# KiCad board 8851_HW-U1-VCU118_REV2-0_071417.kicad_pcb (continued)
## Routing (per net, layer and track width the routed paths; a pad name or vN(x,y) marks a point on that pad's centre or on a via; arc(x,y) is an arc through that point) (continued)
43N2999: length 0.7
  TOP w0.15: v2(108.5,69.73) 108.99,69.24
48N1291: length 5.8
  TOP w0.15: 221.51,69.94 v3(220.45,69.94)
  TOP w0.375: R131.2 v3(223.26,69.94)
  BOTTOM w0.15: v3(220.45,69.94) 219.25,69.94 218.26,69.94 218.12,69.8 218.12,69.42 218.25,69.3 219.25,69.3
48N1428: length 19.9
  03_SIG1 w0.17: v3(225.68,86.77) 226.34,87.44 228.69,87.44 228.81,87.56 228.81,88.23 228.9,88.32 229.27,88.32 229.37,88.22 229.37,87.53 229.46,87.44 229.83,87.44 229.92,87.53 229.92,88.14 230.03,88.25 230.35,88.25 230.44,88.16 230.44,87.53 230.53,87.44 231,87.44 231.18,87.61 231.18,88.42 231.62,88.87 233.61,88.87 234.8,87.67
  BOTTOM w0.15: 230.15,85.58 230.15,84.58 230,84.42 229.62,84.42 229.51,84.54 v3(229.51,86.77) 229.51,87.54 229.5,87.56 ; 225.68,85.58 v3(225.68,86.77)
49N610: length 6
  BOTTOM w0.15: R356.1 59.97,138.2 v3(58.84,138.2) 56.64,140.39 55.84,140.39
49N611: length 4.1
  TOP w0.15: 49.22,139.36 50.66,139.36 v3(51.45,138.58)
  BOTTOM w0.15: 50.09,139.11 50.91,139.11 v3(51.45,138.58)
49N612: length 4.9
  BOTTOM w0.15: 47.96,137.16 49.08,137.16 49.08,138.38 49.17,138.47 50.09,138.47
  BOTTOM w0.375: U28.1 49.15,145.51 v3(48.78,145.88)
49N3747: length 8.3
  TOP w0.15: 133.83,116.41 134.72,116.41 134.85,116.27 134.85,114.08 134.68,113.9 133.78,113.9 133.57,113.69 v3(133.57,113.42) 133.84,113.15 135.07,113.15 135.34,112.89 R601.2
  BOTTOM w0.15: v3(133.57,113.42) 133.97,113.82 R581.1
49N3748: length 4.4
  TOP w0.138: 139.58,115.13 v3(140.94,115.13)
  BOTTOM w0.15: v3(140.94,115.13) 140.39,115.13 140.1,114.83 R600.1 R580.2
49N3749: length 7.7
  TOP w0.138: v3(141.9,115.12) 141.9,114.84 141.55,114.49 139.58,114.49 ; v3(139.88,112.8) 139.64,112.56 139.06,112.56
  05_SIG2 w0.17: v3(139.88,112.8) 139.88,113.1 v3(141.9,115.12)
  BOTTOM w0.15: v3(139.88,112.8) 139.65,112.57 R602.2
49N6856: length 2.9
  TOP w0.15: 133.83,117.05 131.86,117.05 v3(131.22,117.69)
51N1061: length 12.8
  TOP w0.375: v3(221.5,153.16) 221.13,152.78 220.24,152.78 ; 214.01,149.13 v3(214.01,151.64)
  BOTTOM w0.375: v3(221.5,153.16) 221.12,153.54 215.26,153.54 214.74,153.01 214.74,152.32 214.06,151.64 v3(214.01,151.64)
51N1068: length 3
  TOP w0.15: 218.92,155.66 218.92,154.62 219.26,154.28 219.26,152.78
51N1070: length 19.1
  TOP w0.15: v3(223.09,147.78) 223.09,148.33 222.9,148.53 221.88,148.53
  03_SIG1 w0.17: 225.5,160.06 227.87,157.69 227.87,149.05 226.6,147.78 v3(223.09,147.78)
51N1071: length 2.4
  TOP w0.138: DS26.1 v3(200.65,140.34)
  TOP w0.15: R460.1 200.87,142.29 200.65,142.07 DS26.1
51N2166: length 3.7
  TOP w0.138: C358.1 216.63,150.78 216.32,151.09 216.08,151.09 v3(215.3,151.88)
  BOTTOM w0.15: v3(215.3,151.88) 215.58,151.59 216.55,151.59
51N2353: length 51.3
  20_SIG7 w0.087: 217.27,128.68 217.27,125.72 216.65,125.1 209.8,125.1 208.46,126.44 208.46,130.36 207.15,131.68 207.15,132.75 208.6,134.2 208.6,143.68 210.56,145.64 219.31,145.64 221.38,147.7 v3(221.38,149.4)
  BOTTOM w0.15: 218.95,151.59 220.3,151.59 220.81,151.08 220.81,150.28 220.93,150.17 221.38,150.17 v3(221.38,149.4)
51N3244: length 275.4
  TOP w0.138: 222.63,151.15 v3(223.52,151.15)
  TOP w0.15: 222.88,153.92 222.88,152.65 222.63,152.4 222.63,151.15
  03_SIG1 w0.17: v3(223.52,151.15) 222.21,151.15 v3(220.37,149.31)
  05_SIG2 w0.17: v3(45.01,154.22) 44.33,153.53 44.33,147.46 42.57,145.7 40.02,145.7 39.42,145.11 39.42,141.33 38.2,140.11 38.2,138.03 39.08,137.15 39.08,128.12 34.15,123.2 34.15,112.8 33.22,111.87 v3(33.22,110.95)
  16_SIG5 w0.087: v3(45.01,154.22) 46.39,155.6 46.39,167.86 48.69,170.15 52.95,170.15 53.3,169.8 54.62,169.8 55.67,170.85 173.7,170.85 176.45,168.1 176.45,161.55 178.57,159.42 178.57,155.37 176.83,153.63 v3(176.4,153.63)
  20_SIG7 w0.087: v3(220.37,149.31) 220.37,148.17 218.66,146.46 203.41,146.46 202.7,145.76 200.64,145.76 198.42,147.98 194.94,147.98 193.96,148.97 191.99,148.97 189.27,151.69 178.34,151.69 v3(176.4,153.63)
  BOTTOM w0.15: 220.37,147.78 v3(220.37,149.31) 219.95,149.72 218.95,149.72 ; 33.22,110.38 v3(33.22,110.95)
  BOTTOM w0.375: C871.1 v3(219.38,148.65)
51N4062: length 6.9
  BOTTOM w0.15: 27.49,110.8 27.47,110.77 R816.2 27.97,109.1 28.21,109.1 28.63,109.1 28.73,109.2 29.28,109.2 ; 30.52,105.37 31.77,105.37 31.77,105.7 31.62,105.85 31.32,105.85 31.12,106.05 31.12,106.58 31.25,106.7 U128.11
51N4063: length 3.7
  BOTTOM w0.15: 29.28,108.02 29.28,107.58 28.8,107.1 27.47,107.1 R819.2
51N4064: length 3.1
  BOTTOM w0.15: 31.25,111.17 31.25,113.18 31.24,113.17 R817.2
51N4068: length 10.8
  TOP w0.15: v3(29.28,111.02) 29.28,107.57 v3(30.48,106.38) 30.49,106.36 v3(31.64,106.36)
  BOTTOM w0.15: 29.27,105.37 29.27,105.92 29.73,106.38 v3(30.48,106.38) 30.77,106.67 30.77,106.72 30.86,106.81 30.86,107.23 ; 31.64,107.23 v3(31.64,106.36) ; 29.28,110.38 v3(29.28,111.02)
51N4081: length 1.8
  BOTTOM w0.15: U128.19 33.85,109.6 33.96,109.49 34.95,109.49
51N4580: length 1.9
  TOP w0.15: DS20.1 v3(210.49,151.6)
  BOTTOM w0.15: R134.1 210.74,151.36 v3(210.49,151.6)
51N4664:
  vias: v3(236.56,25.95)
52N2260: length 4.2
  TOP w0.15: 166.14,129.41 165.15,129.41 165.15,129.94 164.06,131.04 164.06,132.17
52N2264: length 8.3
  TOP w0.15: v3(163.57,130.17) 163.57,132.17 ; v3(165.45,127.67) 165.15,127.97 165.15,128.43
  BOTTOM w0.15: v3(163.57,130.17) 163.2,129.8 163.2,129.39 163.71,128.89 163.85,128.89 164.33,128.41 164.33,128.27 164.93,127.67 v3(165.45,127.67) 165.8,127.67 166.56,128.42
52N2266: length 11.3
  TOP w0.15: 163.08,132.17 163.08,130.61 162.92,130.45 162.92,129.92 163.22,129.62 163.96,129.62 164.17,129.41 163.78,129.02 163.45,129.02 162.69,128.26 162.69,127.88 162.48,127.67 v3(162.06,127.67) ; v3(163.06,138.92) 163.08,138.9 U166.32
  BOTTOM w0.15: 162.08,128.41 162.08,127.69 v3(162.06,127.67) ; 162.06,138.03 163.08,138.03 163.08,138.9 v3(163.06,138.92) 163.08,138.94 163.08,139.66
52N2267: length 3
  TOP w0.15: 162.08,129.39 162.08,130.31 162.59,130.82 162.59,132.17
52N2291: length 3.3
  TOP w0.15: 159.83,129.39 159.81,129.41 159.81,130.54 161.11,131.84 161.11,132.17
52N2351: length 4.2
  BOTTOM w0.15: 162.08,129.39 162.08,129.9 162.97,130.8 163.8,130.8 164.33,130.27 164.33,129.39
52N2375: length 4.6
  TOP w0.15: v3(166.56,127.22) 166.14,127.65 166.14,128.43
  BOTTOM w0.15: v3(166.56,127.22) 166.8,127.22 167.3,127.72 167.3,129.2 167.09,129.41 166.56,129.41
52N3241: length 2.5
  TOP w0.15: v3(167.18,136.04) 166.66,135.52 165.93,135.52
  BOTTOM w0.15: v3(167.18,136.04) 167.06,136.04 166.45,136.65
52N3243: length 2.2
  TOP w0.15: 165.93,135.03 165.95,135.04 166.74,135.04 166.86,135.17 v3(167.18,135.17)
  BOTTOM w0.15: 166.45,135.65 166.57,135.65 167.06,135.17 v3(167.18,135.17)
52N3245: length 2.1
  TOP w0.15: 165.93,134.53 167.07,134.53 v3(167.18,134.42)
  BOTTOM w0.15: v3(167.18,134.42) 166.93,134.67 166.46,134.67 166.45,134.65
52N3247: length 2.1
  TOP w0.15: v3(167.18,133.67) 166.81,134.04 165.93,134.04
  BOTTOM w0.15: 166.45,133.65 166.46,133.67 v3(167.18,133.67)
52N3249: length 2.4
  TOP w0.15: v3(167.18,132.79) 166.43,133.55 165.93,133.55
  BOTTOM w0.15: 166.45,132.65 166.59,132.79 v3(167.18,132.79)
52N3251: length 2.8
  TOP w0.15: 165.93,133.06 166.04,133.06 v3(167.31,131.79)
  BOTTOM w0.15: v3(167.31,131.79) 166.59,131.79 166.45,131.65
52N3398: length 3.5
  TOP w0.3: L98.2 158.7,133.03 159.22,133.55 160.22,133.55
52N3515: length 4.5
  TOP w0.15: v3(158.31,136.42) 158.71,136.01 160.22,136.01
  BOTTOM w0.15: 160.2,135.28 160.2,135.29 R1271.1 159.07,136.42 v3(158.31,136.42)
52N3990: length 7.8
  TOP w0.15: 141.43,133.67 v3(142.21,133.67) 143.58,133.67 144.11,134.2 144.11,134.58 144.45,134.92 144.45,135.52
  TOP w0.375: 141.43,134.66 140.54,134.66 v3(140.53,134.67)
  BOTTOM w0.15: 141.43,133.67 v3(142.21,133.67) 142.23,133.7 143.06,133.7
  BOTTOM w0.375: 141.43,134.66 140.54,134.66 v3(140.53,134.67)
  vias: v2(145.86,141.2)
52N4051: length 4.5
  TOP w0.15: 146.42,135.52 146.42,135.27 147.02,134.67 147.66,134.67 v3(148.26,134.07) 148.6,133.73 C1709.1
  BOTTOM w0.15: v3(148.26,134.07) 148.6,133.73 C1709.1
52N5850: length 6.5
  TOP w0.15: 161.06,128.42 160.43,128.42 ; 160.43,128.42 159.84,128.42 159.83,128.41 ; 160.43,128.42 v3(160.43,130.17) 160.43,130.29 161.6,131.46 161.6,132.17
  BOTTOM w0.15: v3(160.43,130.17) 159.83,129.56 159.83,129.39
52N5852: length 1.2
  BOTTOM w0.15: 161.06,128.42 161.04,128.41 159.83,128.41
52N6304: length 3.1
  TOP w0.15: 143.51,136.75 142.68,136.75 142.47,136.96 142.47,137.79 142.34,137.92 141.43,137.92
52N8319: length 2.3
  TOP w0.15: 164.17,128.43 164.17,127.83 164.03,127.69 v3(163.2,127.69)
  BOTTOM w0.15: 163.2,128.41 v3(163.2,127.69)
52N9498: length 2
  TOP w0.138: v3(128.16,128.47) U37.1
  BOTTOM w0.15: 129.16,128.47 v3(128.16,128.47)
55N3098: length 2.7
  BOTTOM w0.25: R1158.2 152.74,113.62 154,113.62
55N3099: length 5.8
  TOP w0.25: v3(157.37,117) 157.68,117.31 157.68,118.1 157.68,119.19 v3(157.8,119.3)
  BOTTOM w0.25: v3(157.37,117) 157.11,116.74 157.11,115.75
  BOTTOM w0.375: v3(157.8,119.3) 157.8,120.63 C1442.1
55N3100: length 1.9
  BOTTOM w0.25: 156.55,109.09 156.55,109.6 156.62,109.67 156.62,111
55N3101: length 1.5
  TOP w0.375: 149.05,112.19 149.02,112.22 147.54,112.22
55N3104: length 2.1
  BOTTOM w0.25: 157.55,109.09 157.55,109.7 157.11,110.13 157.11,111
55N3109: length 2.6
  BOTTOM w0.25: C1401.1 154.56,116.84 155.14,116.25 155.14,115.75
55N3110: length 2.3
  BOTTOM w0.25: 151.87,113.75 152.23,114.11 154,114.11
55N3111: length 3.1
  BOTTOM w0.25: 154.65,115.75 153.62,115.75 152.87,116.5 151.87,116.5
55N3112: length 4.6
  BOTTOM w0.25: 151.87,114.87 152.47,114.87 152.74,114.6 154,114.6 ; 158.55,109.08 158.55,109.45 157.6,110.39 U9.15
55N3113: length 3
  BOTTOM w0.25: 156.62,115.75 156.62,117.09 156.89,117.36 156.89,118.62
55N3114: length 3.4
  BOTTOM w0.25: 158.86,118.62 158.65,118.41 158.65,117.4 157.6,116.35 157.6,115.75
55N3115: length 22.1
  BOTTOM w0.25: 153.37,107.83 153.13,108.07 151.91,108.07 146.32,113.66 146.32,115.47 147.1,116.25 147.1,122.08 147.65,122.62 147.82,122.62 148.24,123.04
  BOTTOM w0.375: 155,106.59 154.39,106.59 153.99,106.98 v3(153.99,107.36) 153.85,107.36 153.37,107.83
55N3116: length 4.8
  BOTTOM w0.25: U9.25 158.75,115.75 158.75,115.75 U9.24
  BOTTOM w0.375: C1543.1 161,118 158.75,115.75
55N3155: length 21.8
  05_SIG2 w0.375: v3(151.3,119.47) 151.3,119.12 152.4,118.02 152.4,117.1 153.35,116.15 157.64,116.15 158.52,115.27 158.52,115.26 159.21,114.57 159.21,113.99 161.56,111.64 161.56,110.71 v3(162.05,110.22)
  BOTTOM w0.15: v3(151.3,119.47) 151.12,119.65 151.12,120.14
  BOTTOM w0.25: 158.75,112.63 159.49,112.63 160.16,111.97 161.25,111.97 162.05,111.17 v3(162.05,110.22)
55N3156: length 20.5
  05_SIG2 w0.375: v3(150.42,119.35) 150.42,118.93 151.65,117.71 151.65,116.79 153.04,115.4 157.32,115.4 158.46,114.26 158.46,113.68 160.8,111.34 v3(160.8,109.97)
  BOTTOM w0.15: v3(150.42,119.35) 150.38,119.4 150.38,120.14
  BOTTOM w0.25: 158.75,112.14 159.25,112.14 160.42,110.98 160.8,110.98
  BOTTOM w0.375: 160.8,110.98 v3(160.8,109.97)
55N4756: length 0.8
  BOTTOM w0.15: 151.12,120.71 151.12,121.56
56N1406: length 2.7
  BOTTOM w0.2: 178.55,137.73 178.55,138.99 177.56,139.98
56N1407: length 5.8
  TOP w0.25: v3(181.93,134.35) 183.35,134.35 183.66,134.04 184.32,134.04 v3(184.44,133.93)
  BOTTOM w0.25: 180.68,134.61 181.67,134.61 v3(181.93,134.35)
  BOTTOM w0.375: v3(184.44,133.93) 184.83,133.93 185.3,133.46 186.03,133.46
56N1411: length 21.8
  05_SIG2 w0.25: v3(175.16,129.68) 175.41,129.93 176.32,129.93 178.11,131.72 178.59,131.72 180.97,134.11 180.97,138.17 181.8,138.99 182.97,138.99 v3(184.41,140.43)
  BOTTOM w0.15: Z66.1 184.78,140.8 v3(184.41,140.43)
  BOTTOM w0.25: C729.2 176.9,131.57 177.57,132.24 177.57,132.97
  BOTTOM w0.375: v3(175.16,129.68) 176.15,129.68 176.9,130.43 C729.2
56N1412: length 1.9
  BOTTOM w0.25: 175.93,135.11 174.57,135.11 174.5,135.18 174.03,135.18
56N1413: length 2.6
  TOP w0.375: 175.78,142.43 177.13,142.43 ; C454.1 v3(174.79,143.63)
56N1414: length 4.6
  BOTTOM w0.25: U30.1 175.93,137.48 175.71,137.7 v3(175.66,137.7) ; 175.93,133.63 175.59,133.63 175.06,133.1 175.06,132.55 174.68,132.18 R362.2 174.03,131.18
56N1415: length 2.3
  BOTTOM w0.25: 174.03,133.18 174.38,133.18 175.33,134.12 175.93,134.12
56N1416: length 2.1
  BOTTOM w0.25: 174.03,134.18 174.63,134.18 175.07,134.61 175.93,134.61
56N1425: length 3.4
  BOTTOM w0.25: U30.18 181.29,134.12 182.33,133.08 183.35,133.08 183.56,132.87
56N1429: length 2.6
  BOTTOM w0.25: U30.21 181.7,135.6 v3(181.83,135.73) 182.11,135.73 182.57,136.18 183.03,136.18 183.03,136.18
56N1430: length 2.6
  BOTTOM w0.25: U30.23 181.19,136.58 181.78,137.17 183.03,137.17
56N1431: length 2.2
  BOTTOM w0.25: 173.96,136.73 174.61,136.73 175.24,136.09 175.93,136.09
56N1432: length 8.4
  BOTTOM w0.25: 180.68,133.63 180.68,132.98 180.68,132.97 180.03,132.97 ; U30.24 180.68,138.1 181.43,138.85 181.43,139.86
  BOTTOM w0.375: 180.68,132.98 181.41,132.98 181.88,132.5 181.88,132.18 182.93,131.13 182.93,130.38
56N1434: length 20.2
  05_SIG2 w0.25: v3(184.28,141.3) 182.67,139.69 181.43,139.69 180.22,138.48 180.22,134.3 178.27,132.35 177.85,132.35 176.18,130.68 175.41,130.68 v3(175.16,130.93)
  BOTTOM w0.15: v3(184.28,141.3) 184.41,141.43 Z65.1
  BOTTOM w0.25: C729.1 175.92,131.31 177.08,132.47 177.08,132.97
  BOTTOM w0.375: C729.1 v3(175.16,130.93)
56N2929: length 2
  TOP w0.375: 122.17,139.83 J14.1
56N5656: length 1.2
  BOTTOM w0.15: Z66.2 186.88,140.8 R712.1
57N3698: length 2.7
  BOTTOM w0.25: 212.31,51.86 213.3,50.86 213.3,49.6
57N3699: length 5.8
  TOP w0.25: v3(216.68,46.23) 218.1,46.23 218.41,45.92 219.07,45.92 v3(219.19,45.8)
  BOTTOM w0.25: 215.43,46.49 216.42,46.49 v3(216.68,46.23)
  BOTTOM w0.375: v3(219.19,45.8) 220.31,45.8 220.78,45.33
57N3700: length 2.6
  BOTTOM w0.25: 208.78,47.05 209.33,47.05 209.4,46.98 210.68,46.98
  BOTTOM w0.375: R1167.1 v3(207.12,47.05)
57N3701: length 1.4
  TOP w0.375: 210.03,54.55 211.38,54.55
57N3702: length 5.3
  BOTTOM w0.25: U4.1 210.68,49.35 210.46,49.58 v3(210.41,49.58) ; 210.68,45.5 210.34,45.5 209.81,44.98 209.81,44.43 209.43,44.05 R1144.2 208.78,43.05
  BOTTOM w0.375: R1133.1 207.79,43.05 v3(207.12,43.05)
57N3703: length 3
  BOTTOM w0.25: 210.68,46 210.08,46 209.13,45.05 208.78,45.05
  BOTTOM w0.375: R1126.1 207.79,45.05 v3(207.12,45.05)
57N3704: length 2.8
  BOTTOM w0.25: 208.81,46 208.86,46.05 209.38,46.05 209.82,46.49 210.68,46.49
  BOTTOM w0.375: R1108.1 207.82,46 v3(207.12,46)
57N3709: length 3.4
  BOTTOM w0.25: U4.18 216.04,46 217.08,44.95 218.1,44.95 218.31,44.74
57N3713: length 2.6
  BOTTOM w0.25: v3(216.58,47.6) 216.86,47.6 217.32,48.06 217.78,48.06
  BOTTOM w0.3: U4.21 216.45,47.47 v3(216.58,47.6)
57N3714: length 2.6
  BOTTOM w0.25: 217.78,49.04 216.53,49.04 215.94,48.46 U4.23
57N3715: length 4.2
  BOTTOM w0.25: 207.84,48.6 209.39,48.6 210.03,47.96 210.68,47.96
  BOTTOM w0.375: C1409.1 205.8,49.08 v3(205.8,49.53)
57N3716: length 8.4
  BOTTOM w0.25: 216.18,51.73 216.18,50.73 215.43,49.98 U4.24 ; 215.43,45.5 215.43,44.85 215.43,44.85 214.78,44.85
  BOTTOM w0.375: 215.43,44.85 216.16,44.85 216.63,44.38 216.63,44.05 217.68,43 217.68,42.26
  vias: v3(216.66,41.68)
57N3731: length 22.2
  05_SIG2 w0.25: v3(219.16,52.3) 218.47,52.3 217.98,51.81 216.98,51.81 215.92,50.75 215.92,46.08 211.65,41.8 210.16,41.8 v3(209.91,41.55)
  BOTTOM w0.15: v3(219.16,52.3) 219.53,52.68 Z104.1
  BOTTOM w0.25: C1533.2 211.65,43.44 212.32,44.11 212.32,44.85
  BOTTOM w0.375: C1533.2 211.65,42.2 211.01,41.56 209.92,41.56 v3(209.91,41.55)
57N3732: length 20.5
  05_SIG2 w0.25: v3(219.03,53.18) 218.47,53.18 217.72,52.43 217.02,52.43 217.02,52.43 216.72,52.43 215.3,51.01 215.3,46.51 211.34,42.55 210.13,42.55 v3(209.88,42.8)
  BOTTOM w0.15: v3(219.03,53.18) 219.16,53.3 Z103.1
  BOTTOM w0.25: C1533.1 210.67,43.17 211.83,44.33 211.83,44.85
  BOTTOM w0.375: v3(209.88,42.8) C1533.1
57N5412: length 1.1
  BOTTOM w0.15: Z104.2 221.51,52.68 R1107.1
60N3562: length 37.1
  TOP w0.375: J63.1 129.33,115.52 132.07,112.77 132.07,101.92 130.85,100.7 127.08,100.7 125.44,99.05 125.44,99.04 125.39,98.99 125.39,97.3 126.62,96.06 135.36,96.06 135.83,96.53 135.83,97.89
60N3616: length 1.7
  TOP w0.15: 134.26,108.23 134.26,109.92 134.25,109.93
60N3732: length 3.3
  TOP w0.15: R1290.2 135.05,100.89 135.43,100.89 135.54,100.99 135.54,102.62
60N3801: length 1.6
  BOTTOM w0.15: 138.96,25.25 138.96,26.82 138.97,26.83
60N3813: length 3.4
  BOTTOM w0.15: 137.68,19.64 137.68,18.02 137.78,17.91 R138.1 138.29,16.79
60N4071: length 10
  05_SIG2 w0.375: 175.58,16.04 J20.1 ; J20.1 176.38,14.2 ; J20.1 177.17,14.46 ; J20.1 177.43,15.25 ; J20.1 177.17,16.04 ; J20.1 176.38,16.3 ; J20.1 175.58,14.46
  BOTTOM w0.375: 137.04,18.3 137.04,19.64 ; C132.1 v3(132.62,17.82)
  vias: v3(136.03,16.79) v3(136.28,18.29) v3(136.78,17.29) v3(172.78,23.65) v3(173.05,24.43)
61N5743: length 45.1
  05_SIG2 w0.25: v3(186.52,50.74) 186.69,50.91 187.84,50.91 189.43,49.33 189.43,31.82 186.72,29.12 184.45,29.12 183.47,28.15 181.45,28.15 180.82,27.53 180.82,23.45 182.99,21.28 183.5,21.28 183.95,20.82 184.57,20.82 v1(185.2,21.45)
  BOTTOM w0.135: 184.97,23.97 184.97,22.95 C1537.2 v1(185.2,21.45) ; v3(186.52,50.74) 186.86,51.07 187.22,51.07 Z118.1
61N5744: length 2
  BOTTOM w0.207: v3(182.2,26.72) 182.33,26.59 U156.4
  BOTTOM w0.375: R1169.1 v3(179.38,26.1)
61N5745: length 1.9
  BOTTOM w0.375: R1139.2 C1530.1
61N5746: length 3.1
  BOTTOM w0.207: 181.2,23.59 181.83,23.59 182.2,23.97 182.2,24.57 182.75,25.11 183.33,25.11
61N5747: length 3.3
  BOTTOM w0.207: 183.33,25.61 182.52,25.61 181.75,24.84 181.2,24.84
  BOTTOM w0.375: R1170.1 v3(179.38,24.84)
61N5752: length 3.1
  BOTTOM w0.207: 188.08,27.58 188.66,27.58 188.88,27.8 188.88,27.97 189.28,28.38 190.07,28.38 190.18,28.27 190.7,28.27
61N5753: length 3.8
  BOTTOM w0.25: 190.08,30.85 190.08,30.03 188.6,28.55 188.6,28.35 188.32,28.07 188.08,28.07
61N5755: length 2.9
  BOTTOM w0.207: 190.7,25.46 190.07,25.46 189.42,26.1 188.08,26.1
61N5756: length 3.4
  BOTTOM w0.207: 188.08,25.11 188.58,25.11 188.9,24.8 188.9,24.65 190.06,23.48 190.7,23.48
61N5757: length 3.7
  BOTTOM w0.207: 180.86,27.6 182.08,27.6 182.59,27.08 183.33,27.08
  BOTTOM w0.375: C1411.1 v3(178.25,27.6)
61N5758: length 6.2
  BOTTOM w0.207: 188.08,23.97 188.08,24.62 ; 188.08,23.97 188.08,23.97 187.43,23.97 ; 188.08,23.97 188.08,23.97
  BOTTOM w0.5: 188.08,23.97 188.43,23.62 188.43,23.42 190.08,21.77 190.08,21 190,20.92 v4(189,20.92)
61N5761: length 3.6
  BOTTOM w0.207: 181.2,22.34 181.73,22.34 182.75,23.37 182.75,24.32 183.06,24.62 183.33,24.62
61N5762: length 8.4
  TOP w0.25: 192.7,20.71 192.41,21 190.55,21 189.08,22.47 v3(189.08,25.47)
  BOTTOM w0.207: v3(189.08,25.47) 188.94,25.61 188.08,25.61
61N5776: length 43.8
  05_SIG2 w0.25: v3(186.52,51.7) 186.69,51.53 188.1,51.53 190.05,49.58 190.05,31.57 186.98,28.5 184.71,28.5 183.73,27.53 181.71,27.53 181.45,27.27 181.45,23.71 183.03,22.12 183.54,22.12 v1(184.21,21.45)
  BOTTOM w0.135: 184.47,23.97 184.47,22.98 C1537.1 v1(184.21,21.45) ; Z117.1 187.28,51.42 186.81,51.42 v3(186.52,51.7)
61N7077: length 19.6
  TOP w0.15: v4(192.14,50.8) 191.74,50.39 191.74,47.59 192.47,46.87 L75.2 ; 199.95,32.99 199.95,34.1 200.25,34.4 201.49,34.4 v3(201.67,34.22) ; 199.95,36.2 199.95,35.09 200.25,34.79 201.49,34.79 v3(201.67,34.97)
  BOTTOM w0.15: Z117.2 188.26,51.39 189.47,51.39 190.18,52.1 191.27,52.1 191.75,51.62 191.75,51.19 v4(192.14,50.8)
  vias: v4(198.91,48.93) v4(198.91,47.68) v4(198.91,46.43) v4(198.91,45.18) v4(200.08,43.72) v4(200.14,41.7) v4(200.34,48.88) v4(200.34,47.63) v4(200.34,46.38) v4(200.34,45.13) v4(201.33,43.72) v4(201.33,42.47) v4(201.33,40.97) v4(201.33,39.72) v4(201.33,38.47) v4(201.33,37.47) v4(201.71,47.63) v4(201.71,46.38) v4(201.71,45.13) v4(202.58,43.72) v4(202.58,42.47) v4(202.58,40.97)
61N7290: length 1
  BOTTOM w0.15: R1135.1 188.5,50.67 188.36,50.82 Z118.2
62N1445: length 5.1
  TOP w0.15: 45.66,133.77 45.66,131.56 46.23,130.99 47.35,130.99
  TOP w0.375: v3(45.38,130.3) 45.93,130.3 46.23,130.01
62N1446: length 5.3
  TOP w0.15: C190.1 44.88,129.41 44.88,130.93 45.17,131.22 45.17,133.77
62N1458: length 1.4
  TOP w0.15: Q24.3 201.62,158.83 202,159.2 202,159.6
62N1459: length 1.4
  TOP w0.15: 202,160.59 203.38,160.59
62N1460: length 1.4
  TOP w0.15: Q24.1 201.23,156.18
63N1124: length 7.9
  TOP w0.138: v3(217.3,154.58) 217.03,154.3 Q6.3
  20_SIG7 w0.087: v3(217.3,154.58) 219.14,156.41 v3(219.14,159.22)
  BOTTOM w0.15: 220.08,159.22 v3(219.14,159.22)
63N1127: length 2.1
  TOP w0.15: 220.08,160.32 220.98,160.32 v3(221.1,160.2)
  BOTTOM w0.15: 220.08,160.2 v3(221.1,160.2)
63N3433: length 3
  TOP w0.15: U124.C2 13.69,115.2 13.95,114.94 15.68,114.94 C872.1
63N3436: length 1.1
  BOTTOM w0.15: 10.07,117.51 C878.1
63N3439: length 3.1
  TOP w0.138: v3(11.78,117.19) 11.78,116.64 12.49,115.94 U124.B1
  BOTTOM w0.15: 11.05,117.51 11.46,117.51 v3(11.78,117.19)
63N3442: length 1.7
  TOP w0.3: U124.C1 13.19,114.72 v3(13.09,114.61)
  BOTTOM w0.375: R805.1 v3(9.24,116.39)
  vias: v3(11.93,115.75) v3(12.14,114.61)
63N4281: length 9.1
  TOP w0.138: Q36.3 211.29,154.79 v3(211.09,154.99)
  14_SIG4 w0.087: v3(214.96,159.56) 214.04,159.56 213.06,158.58 213.06,157.8 212.56,157.3 212.56,155.56 212,155 211.11,155 v3(211.09,154.99)
  BOTTOM w0.15: 215.88,159.29 215.23,159.29 v3(214.96,159.56)
63N4282: length 2
  TOP w0.15: 215.88,160.45 v3(216.85,160.45)
  BOTTOM w0.15: v3(216.85,160.45) 216.68,160.28 215.88,160.28
63N4705: length 2.7
  TOP w0.138: v3(60.02,117.58) 59.32,117.58 58.73,118.16 U151.C2
  BOTTOM w0.15: v3(60.02,117.58) 60.24,117.36 60.24,116.82
63N4706: length 1.1
  TOP w0.15: 56.7,120.68 56.7,119.54
63N4708: length 1.7
  TOP w0.138: U151.B1 58.08,118.93
  TOP w0.15: 56.7,118.56 57.32,118.56 57.7,118.93 58.08,118.93
63N4710: length 4.5
  TOP w0.3: v3(58.2,117.61) 58.2,117.67 58.24,117.72 U151.C1
  TOP w0.375: 57.71,116.8 57.71,117.09 57.43,117.36 v3(57.43,117.61)
  BOTTOM w0.375: v3(58.2,117.61) 58.13,117.61 ; 58.13,117.61 58.09,117.57 58.09,116.82 ; 58.13,117.61 v3(57.43,117.61) 57.24,117.61 56.56,116.93
63N5111: length 8.3
  TOP w0.138: v3(213.76,155.13) 213.52,154.89 Q5.3
  14_SIG4 w0.087: v3(213.76,155.13) 213.58,155.31 213.58,156.36 215.1,157.88 215.1,158.6 215.72,159.22 v3(217.06,159.22)
  BOTTOM w0.15: 218,159.22 v3(217.06,159.22)
63N5112: length 2.1
  TOP w0.15: 218,160.45 v3(218.98,160.45)
  BOTTOM w0.15: v3(218.98,160.45) 218.73,160.2 218,160.2
63N5113: length 1.6
  TOP w0.138: Q5.1 v3(213.12,152.75)
  BOTTOM w0.15: v3(213.12,152.75) 213.08,152.8 213.08,153.59
63N5131: length 3.8
  BOTTOM w0.15: R832.2 35.22,104.67 35.22,104.33 35.54,104.01 36.28,104.01 36.29,104.01 36.71,104.01 36.71,104.01 37.42,104.01
63N5132: length 4.9
  BOTTOM w0.15: C862.1 37.46,102.87 37.42,102.91 37.42,103.51 v3(34.2,103.51)
64N648: length 2.3
  TOP w0.15: 209.5,160.9 v3(210.6,160.9)
  BOTTOM w0.15: 209.5,160.65 210.35,160.65 v3(210.6,160.9)
64N649: length 8.6
  TOP w0.138: 209.5,159.42 v3(209.5,158.53) ; v3(204.7,155.13) 204.7,155.13 204.82,155 Q17.3
  03_SIG1 w0.17: v3(204.7,155.13) 206.33,155.13 206.79,155.59 206.79,156.19 207.3,156.7 208.03,156.7 209.5,158.18 v3(209.5,158.53)
64N651: length 32.5
  TOP w0.15: 62.87,87.63 63.13,87.63 63.5,88 64.02,88 64.71,87.32 66.52,87.32 68.09,85.74 71.22,85.74 71.61,86.14 71.61,86.55 71.17,86.99 71.17,87.78 71.67,88.27 78.12,88.27 78.56,87.84 80.48,87.84 80.82,88.18 80.82,88.38 81.44,89 81.85,89 83.08,90.23 83.08,95.5 83.38,95.79 83.38,97.39
64N2771: length 2
  TOP w0.138: 207.38,160.89 v3(207.38,161.78)
  BOTTOM w0.15: v3(207.38,161.78) 207.38,160.65
64N2772: length 8.6
  TOP w0.138: Q37.3 v3(202.82,154.98) ; 207.38,159.42 v3(207.38,158.53)
  03_SIG1 w0.17: v3(207.38,158.53) 207.38,157.9 206.12,156.64 204.25,156.64 203.86,156.25 203.13,156.25 202.82,155.94 v3(202.82,154.98)
64N2774: length 18.6
  TOP w0.15: v3(145.91,103.34) 145.91,101.36 146.85,100.42 151.12,100.42 153.25,98.3 160.59,98.3
  BOTTOM w0.15: 145.27,103.44 145.82,103.44 v3(145.91,103.34)
65N130: length 2.8
  BOTTOM w0.15: 185.87,165.19 185.87,166.05 186.97,166.05 187.32,166.4 187.32,166.74
65N131: length 50.4
  TOP w0.138: 209.73,163.1 208.44,163.1 v3(208.43,163.11)
  TOP w0.15: DS3.1 v3(204.95,164.47)
  05_SIG2 w0.17: v3(184.94,164.2) 185.21,164.47 v3(204.95,164.47)
  20_SIG7 w0.087: v3(185.04,167.03) 186.94,167.03 187.62,166.35 189.59,166.35 190.69,167.45 192.3,167.45 194.6,165.15 206.39,165.15 v3(208.43,163.11)
  BOTTOM w0.15: 185.87,164.2 v3(184.94,164.2) ; 185.87,167.03 v3(185.04,167.03)
65N137: length 2.2
  TOP w0.15: 226.63,165.8 v3(225.65,165.8)
  BOTTOM w0.15: v3(225.65,165.8) 226.27,165.18 226.63,165.18
65N138: length 2.4
  TOP w0.138: 222.35,164.41 222.35,165.25 v3(222.33,165.28)
  BOTTOM w0.15: 222.38,163.78 222.38,165.23 v3(222.33,165.28)
65N139: length 2.4
  TOP w0.138: v3(220.63,165.28) 220.65,165.25 220.65,164.41
  BOTTOM w0.15: 220.63,163.78 v3(220.63,165.28)
65N140: length 2.5
  TOP w0.138: 218.88,164.41 v3(218.88,165.28)
  BOTTOM w0.15: 218.88,163.65 218.88,163.65 v3(218.88,165.28)
65N144: length 39.6
  TOP w0.15: 226.63,164.32 v3(225.5,164.32)
  20_SIG7 w0.087: v3(225.5,164.32) 223.88,162.69 223.88,159.25 224.16,158.96 224.16,156.54 220,152.38 220,151.51 216.37,147.88 212.4,147.88 211.31,148.98 204.01,148.98 203.36,149.63 203.36,150.17 v3(204.11,150.93)